# Altium PCB PCB2.PcbDoc
Units mil, origin at the board's own origin, x right, y up, seen from the top; angles counter-clockwise.
Board outline 2654.9 x 2460.12 mil, 2 copper layers (Top Layer, Bottom Layer), stack 65.792 mil thick; 77 components, 65 nets, 328 pads, 296 vias.
Unrouted connection lines stored in the file: 7.
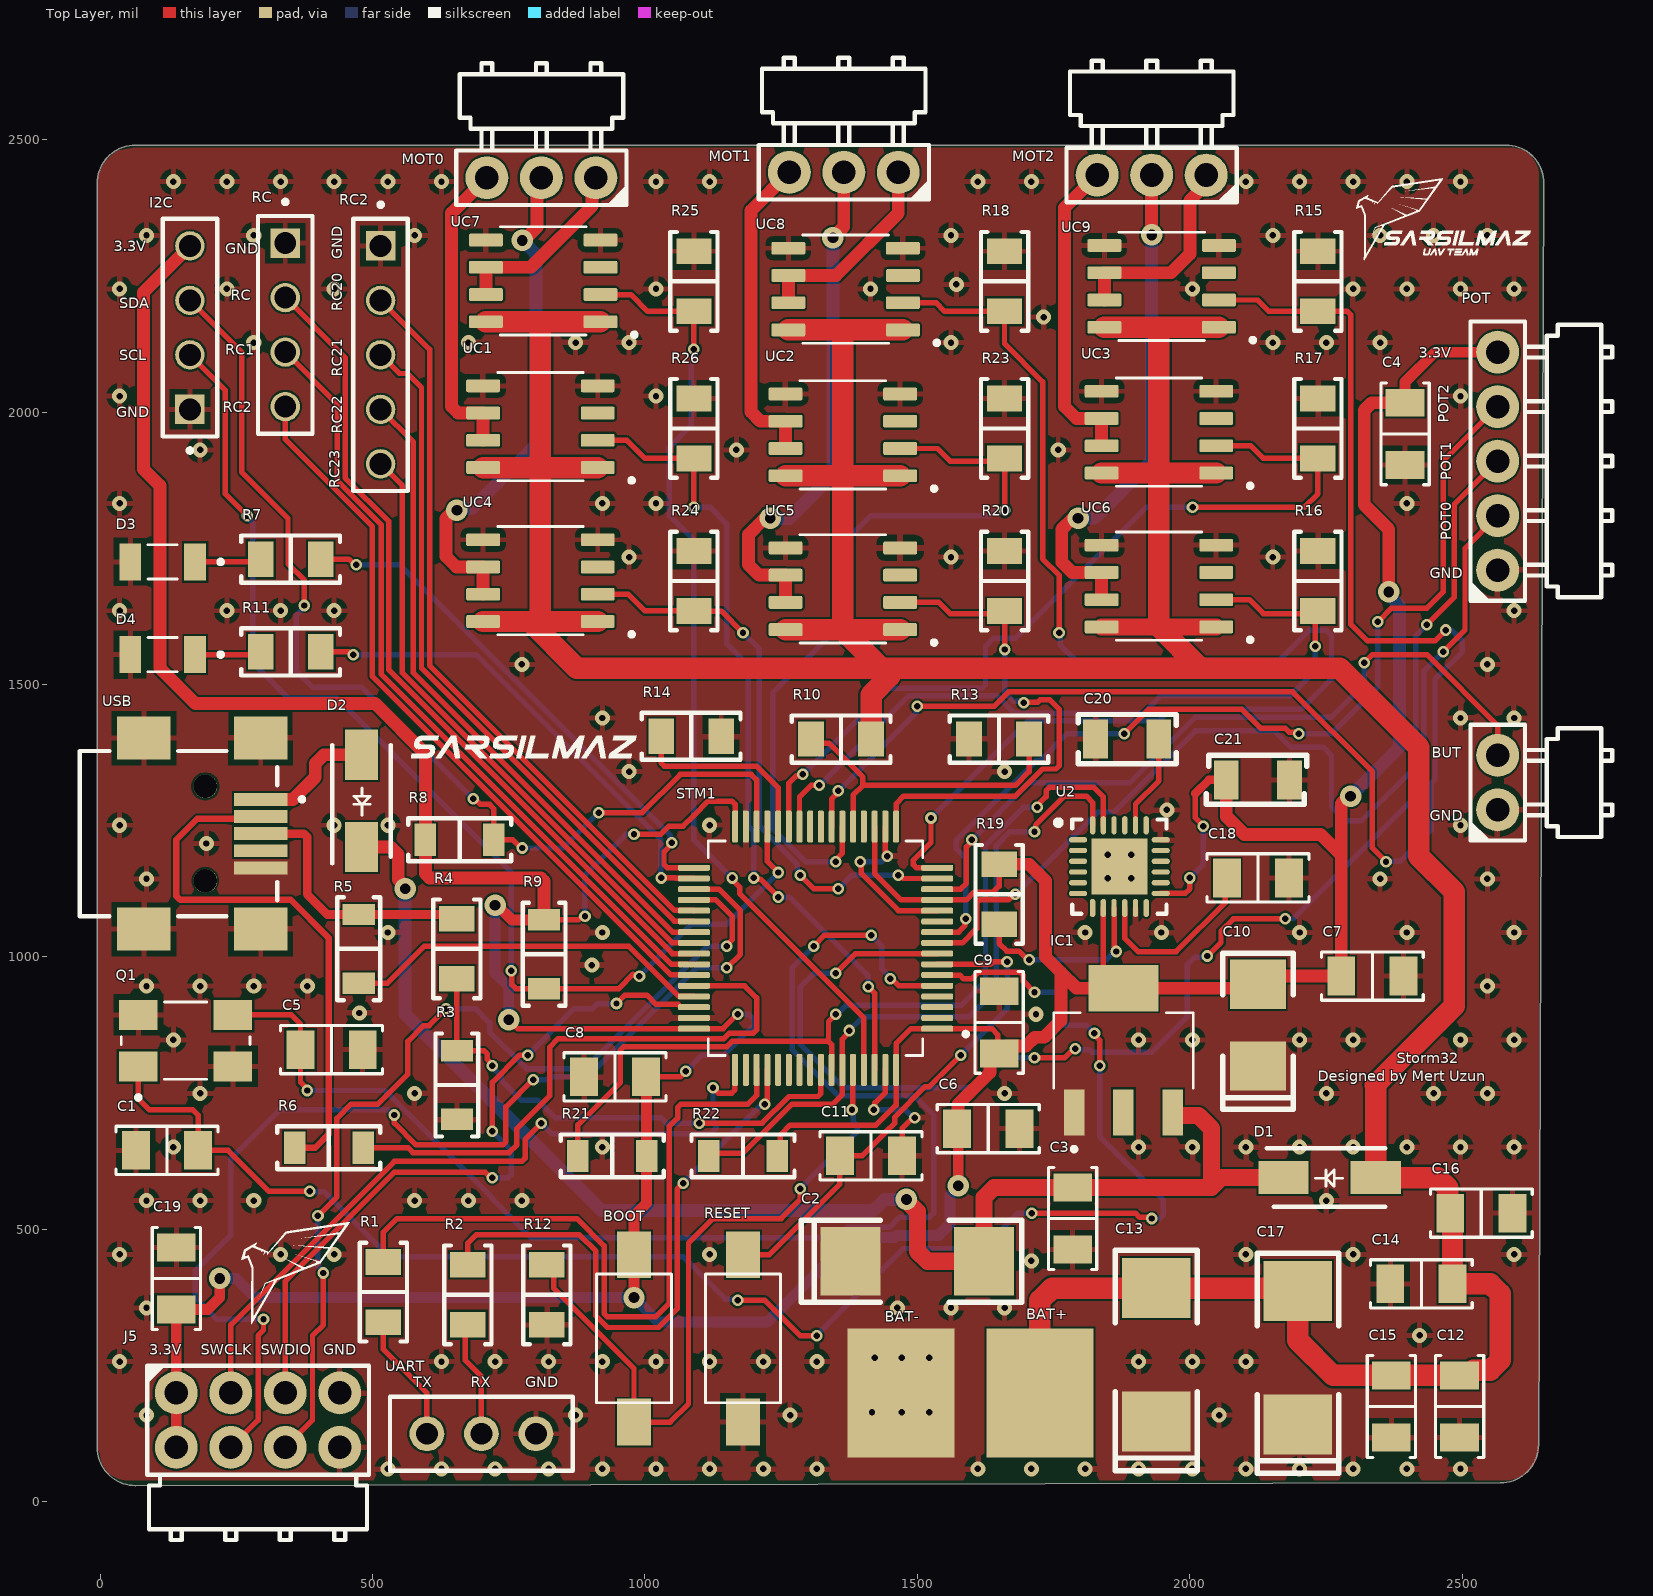
[diagram p0: Top Layer view]
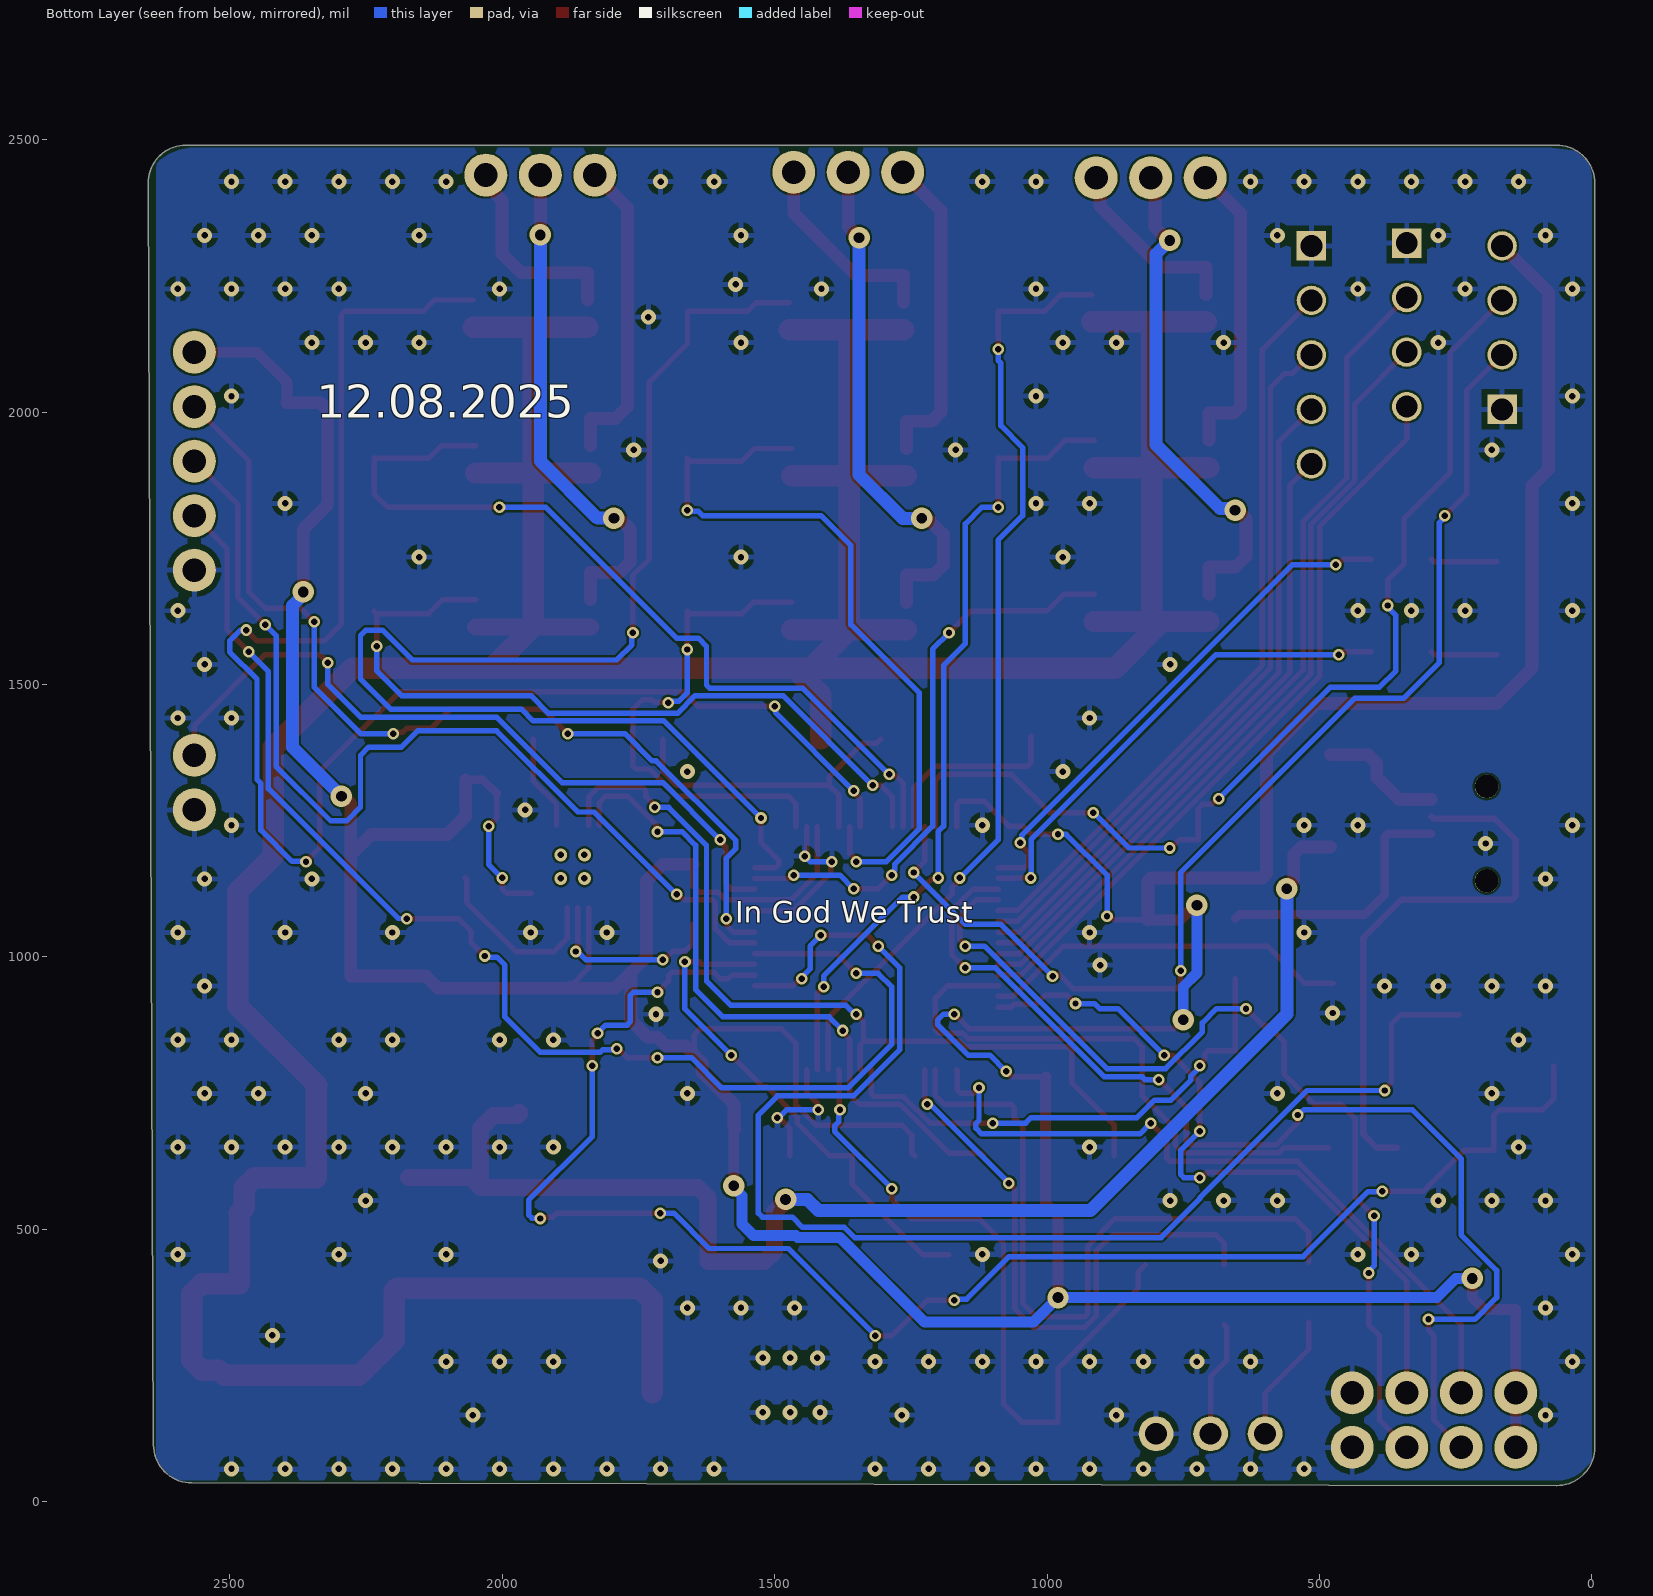
[diagram p1: Bottom Layer view, seen from below]
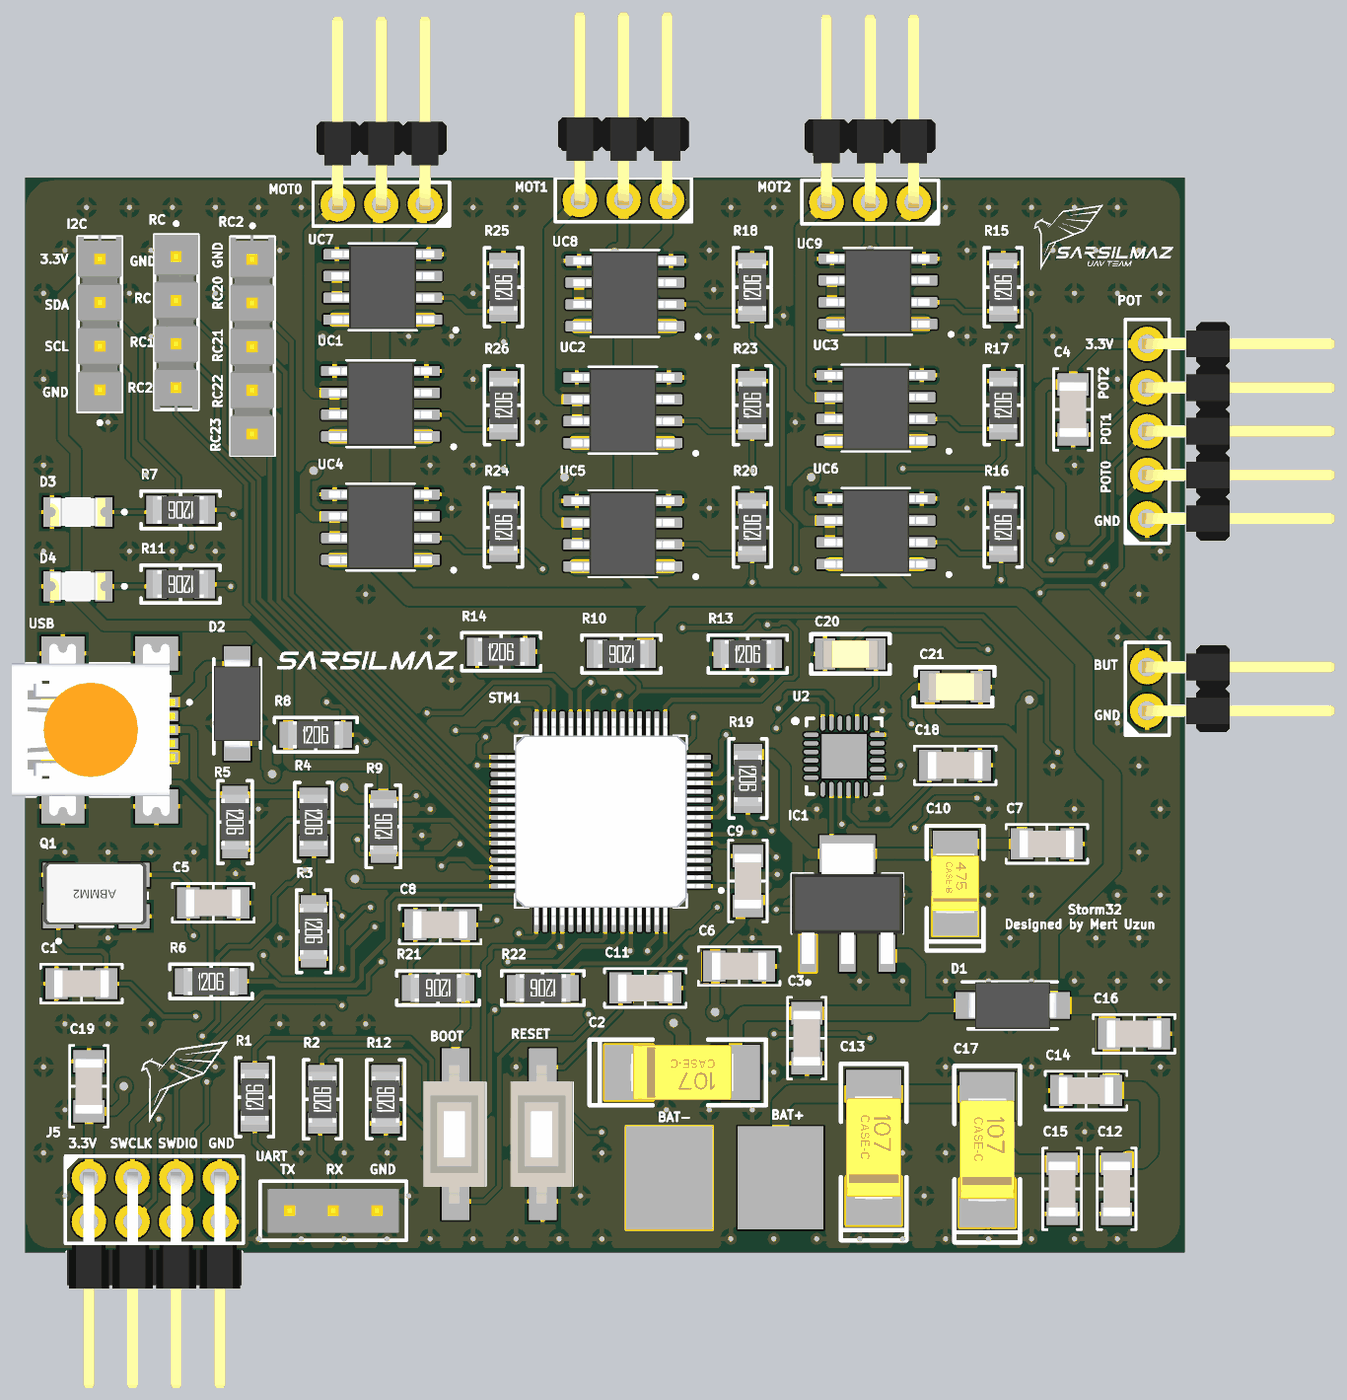
[diagram p2: 3D render of the assembled board from above, using the file's embedded part models]

## Layer stack, top to bottom
Top Solder: solder mask 0.4, Solder Resist, Dk 3.5
Top Layer: signal copper 1.4
Dielectric 1: dielectric 62.9921, FR-4, Dk 4.8
Bottom Layer: signal copper 1.4
Bottom Solder: solder mask 0.4, Solder Resist, Dk 3.5

## Board outline
65.16,29.88 2569.67,34.76 ccw(c2569.54,105.29) 2640.07,104.99 2649.9,2419.93 ccw(c2580.13,2420.22) 2580.13,2490 65,2490 ccw(c65,2420) -5,2420 -5,99.9 ccw(c65.02,99.9)

## Design rules (kind name [scope] priority, off if disabled: settings)
Clearance [All] p1: gap=3.94 ignorepadtopadclearanceinfootprint=FALSE
PolygonConnect [All] p1: connectstyle=Relief reliefconductorwidth=10 reliefentries=4 polygonreliefangle="90 Angle" airgapwidth=10
RoutingVias [All] p1: holewidth=28 width=50 viastyle="Through Hole" minholewidth=11.81 minwidth=11.81 maxholewidth=28 maxwidth=50
SolderMaskExpansion [All] p1: expansion=4 istentingtop=FALSE
SupplyNets "Schematic Supply Nets_3" [InNet('BAT+')] p1: voltage=0.000
SupplyNets "Schematic Supply Nets_2" [InNet('BAT-')] p2: voltage=0.000
SupplyNets "Schematic Supply Nets_1" [InNet('VUSB')] p3: voltage=0.000
SupplyNets "Schematic Supply Nets" [InNet('+3.3V')] p4: voltage=0.000
Width [All] p1: maxlimit=78.74 minlimit=10 preferedwidth=10 minimp=50.000000 maximp=50.000000 favimp=50.000000
30 further rules are at their usual default settings.

## Components (designator, comment, footprint, x,y, rotation, side; value= is the part's Value field where it differs from the comment)
BOOT "BUTTON" SW_1437566-3 980,300 r270 top (schematic designator SW1)
BUT "BUT" "HARWIN M20-9960245" 2565,1320 r90 top (schematic designator J6)
C1 "22 pF" "CAP 1206_3216 - 0.8MM" 122.91,645 r0 top
C2 "33uF" "TANTAL CAP C-CASE" 1495,445 r180 top
C3 "0.1 µF" "CAP 1206_3216 - 0.8MM" 1785,520 r270 top
C4 "0.1 µF" "CAP 1206_3216 - 0.8MM" 2395,1960 r270 top
C5 "22 pF" "CAP 1206_3216 - 0.8MM" 425,830 r180 top
C6 "0.1 µF" "CAP 1206_3216 - 0.8MM" 1630,685 r0 top
C7 "0.1 µF" "CAP 1206_3216 - 0.8MM" 2335,965 r0 top
C8 "0.1 µF" "CAP 1206_3216 - 0.8MM" 945,780 r180 top
C9 "0.1 µF" "CAP 1206_3216 - 0.8MM" 1650,880 r90 top
C10 "10uF" "TANTALUM SMD B" 2125,875 r270 top
C11 "0.1 µF" "CAP 1206_3216 - 0.8MM" 1415,635 r0 top
C12 "0.1 µF" "CAP 1206_3216 - 0.8MM" 2495,175 r270 top
C13 "33uF" "TANTAL CAP C-CASE" 1935,265 r270 top
C14 "0.1 µF" "CAP 1206_3216 - 0.8MM" 2425,400 r180 top
C15 "0.1 µF" "CAP 1206_3216 - 0.8MM" 2370,175 r270 top
C16 "0.1 µF" "CAP 1206_3216 - 0.8MM" 2535,530 r0 top
C17 "33uF" "TANTAL CAP C-CASE" 2195,260 r270 top locked
C18 "0.1 µF" "CAP 1206_3216 - 0.8MM" 2125,1145 r0 top
C19 "0.1 µF" "CAP 1206_3216 - 0.8MM" 140,410 r90 top
C20 "CAP" CAP1206 1885,1400 r180 top value=2.2nF
C21 "CAP" CAP1206 2125,1325 r0 top value=10nF
D1 "SS14 SCHOTTKY DIODE" "SS14 SCHOTTKY DIODE" 2255,595 r0 top
D2 "SS14 SCHOTTKY DIODE" "SS14 SCHOTTKY DIODE" 480,1285 r90 top
D3 "Red" LEDC3216X120N 115,1725 r180 top
D4 "Green" LEDC3216X120N 115,1555 r180 top
I2C "I2C" "Header 4pin" 165.75,2007.87 r90 top (schematic designator J7)
IC1 "LM1117MPX-33 SOT223" "LM1117MPX-33 SOT223" 1875,825 r90 top
J5 "M20-9740442" "HARWIN M20-9740445" 290,150 r0 top
MOT0 "M0" "HARWIN M20-9960345" 810,2430 r180 top (schematic designator J8)
MOT1 "M1" "HARWIN M20-9960345" 1365,2440 r180 top (schematic designator J9)
MOT2 "M2" "HARWIN M20-9960345" 1930,2435 r180 top (schematic designator J10)
POT "POT" "HARWIN M20-9960545" 2565,1910 r90 top (schematic designator J3)
Q1 "ABMM2-8.000MHZ-E2-T" ABMM2-8.000MHZ-E2-T 165,840 r180 top
R1 "1 kOhms" "RES 1206_3216" 520,385 r90 top
R2 "4.7 kOhms" "RES 1206_3216" 675,380 r90 top
R3 "47 kOhms" "YAGEO RES 1206_3216" 655,765 r270 top
R4 "1.5 kOhms" "RES 1206_3216" 655,1015 r270 top
R5 "22 Ohms" "YAGEO RES 1206_3216" 475,1015 r270 top
R6 "22 Ohms" "YAGEO RES 1206_3216" 420,650 r0 top
R7 "1 kOhms" "RES 1206_3216" 350,1730 r180 top
R8 "2.2 kOhms" "YAGEO RES 1206_3216" 660,1215 r0 top
R9 "2.2 kOhms" "YAGEO RES 1206_3216" 815,1005 r90 top
R10 "10 kOhms" "RES 1206_3216" 1360,1400 r180 top
R11 "1 kOhms" "RES 1206_3216" 350,1560 r180 top
R12 "10 kOhms" "RES 1206_3216" 820,380 r90 top
R13 "1.5 kOhms" "RES 1206_3216" 1649.88,1400 r0 top
R14 "10 kOhms" "RES 1206_3216" 1085,1405 r0 top
R15 "10 kOhms" "RES 1206_3216" 2235,2240 r90 top
R16 "10 kOhms" "RES 1206_3216" 2235,1690 r90 top
R17 "10 kOhms" "RES 1206_3216" 2235,1970 r90 top
R18 "10 kOhms" "RES 1206_3216" 1660,2240 r90 top
R19 "4.7 kOhms" "RES 1206_3216" 1650,1115 r270 top
R20 "10 kOhms" "RES 1206_3216" 1660,1690 r90 top
R21 "2.2 kOhms" "YAGEO RES 1206_3216" 940,635 r180 top
R22 "2.2 kOhms" "YAGEO RES 1206_3216" 1180,635 r180 top
R23 "10 kOhms" "RES 1206_3216" 1660,1970 r90 top
R24 "10 kOhms" "RES 1206_3216" 1090,1690 r90 top
R25 "10 kOhms" "RES 1206_3216" 1090,2240 r90 top
R26 "10 kOhms" "RES 1206_3216" 1090,1970 r90 top
RC "RC" "Header 4pin" 339.25,2307.13 r270 top (schematic designator J4)
RC2 "RC2" "header 5x1" 515.12,2304.72 r270 top (schematic designator J1)
RESET "BUTTON" SW_1437566-3 1180,300 r270 top (schematic designator SW2)
STM1 "STM32F103RCT6" STM32F103RCT6 1315,1025 r180 top
U2 "MPU6050-QFN24" MPU6050-QFN24 1871.81,1163.82 r0 top
UART "UART" "HEADER 3PIN" 698.2,124.29 r90 top (schematic designator J2)
UC1 "TC4420CPA" TC4420CPA 805,1972.5 r180 top
UC2 "TC4420CPA" TC4420CPA 1360,1957.5 r180 top
UC3 "TC4420CPA" TC4420CPA 1940,1962.5 r180 top
UC4 "TC4420CPA" TC4420CPA 805,1690 r180 top
UC5 "TC4420CPA" TC4420CPA 1360,1675 r180 top
UC6 "TC4420CPA" TC4420CPA 1940,1680 r180 top
UC7 "TC4420CPA" TC4420CPA 810,2240 r180 top
UC8 "TC4420CPA" TC4420CPA 1365,2225 r180 top
UC9 "TC4420CPA" TC4420CPA 1945,2230 r180 top
USB "MINI USB PORT" "MINI USB PORT" 140,1230 r270 top (schematic designator U1)

## Footprints (in the part's own frame and the unit in brackets; to place one, negate y for a bottom-side part, rotate by r counter-clockwise, add the part's x,y. Pads: shape width x height; smd on the part's side, far side on the other; paste and mask are expansions set on the pad)
ABMM2-8.000MHZ-E2-T [mm]
  rect 1.8x1.4 smd: 1(2.401,1.035) 2(-1.999,1.035) 3(-1.999,-1.365) 4(2.401,-1.365)
  silkscreen extent -2.8,-1.96 3.2,2.58, body extent -2.72,-2.09 3.28,1.51, height 1.2
CAP1206 [mm]
  rect 1.16x1.82 smd: 1(1.475,0) 2(-1.475,0)
  body extent -1.6,-0.81 1.6,0.81, height 0.57
"CAP 1206_3216 - 0.8MM" [mm] "Chip Capacitor, 2-Leads, Body 3.25x1.60mm, IPC Medium Density"
  rect 1.3x1.8 smd: 1(-1.45,0) 2(1.45,0)
  silkscreen extent -2.37,-1.12 2.37,1.12, body extent -1.6,-0.8 1.6,0.8, height 0.8
"HARWIN M20-9740445" [mm] "2.54mm DIL PC TAIL PIN HEADER ASSEMBLY"
  round 2 hole 1.1: 1(-3.81,1.27) 2(-1.27,1.27) 3(1.27,1.27) 4(3.81,1.27) 5(3.81,-1.27) 6(1.27,-1.27) 7(-1.27,-1.27) 8(-3.81,-1.27)
  silkscreen extent -5.19,-5.59 5.17,2.57, body extent -5.08,-10.97 5.08,1.59, height 5
"HARWIN M20-9960245" [mm] "2.54mm DIL PC TAIL PIN HEADER ASSEMBLY"
  round 2 hole 1.1: 1(-1.27,0) 2(1.27,0)
  silkscreen extent -2.7,-5.33 2.7,1.3, body extent -2.54,-10.9 2.54,0.32, height 2.54
"HARWIN M20-9960345" [mm] "2.54mm DIL PC TAIL PIN HEADER ASSEMBLY"
  round 2 hole 1.1: 1(-2.54,0) 2(0,0) 3(2.54,0)
  silkscreen extent -3.97,-5.33 3.97,1.3, body extent -3.81,-10.9 3.81,0.32, height 2.54
"HARWIN M20-9960545" [mm] "2.54mm DIL PC TAIL PIN HEADER ASSEMBLY"
  round 2 hole 1.1: 1(-5.08,0) 2(-2.54,0) 3(0,0) 4(2.54,0) 5(5.08,0)
  silkscreen extent -6.51,-5.33 6.51,1.3, body extent -6.35,-10.9 6.35,0.32, height 2.54
"HEADER 3PIN" [mm]
  round 1.62 hole 1.02: 1(0.018,-2.586) 2(0.018,-0.046) 3(0.018,2.494)
  silkscreen extent -1.7,-4.31 1.74,4.21, body extent -1.25,-3.86 1.29,3.76, height 8.38
"Header 4pin" [mm]
  rect 1.37x1.37 hole 1.02: 01(-0.073,0.019)
  round 1.37 hole 1.02: 02(2.467,0.019) 03(5.007,0.019) 04(7.547,0.019)
  silkscreen extent -2.09,-1.25 8.82,1.29, body extent -1.34,-1.25 8.94,1.29, height 9.27
"header 5x1" [mm]
  rect 1.37x1.37 hole 1.02: 1(-0.007,-0.003)
  round 1.37 hole 1.02: 2(2.533,-0.003) 3(5.073,-0.003) 4(7.613,-0.003) 5(10.153,-0.003)
  silkscreen extent -2.03,-1.27 11.42,1.27, body extent -1.38,-1.3 11.45,1.24, height 8.38
LEDC3216X120N [mm]
  rect 1.01x1.73 smd: NEG(1.51,0) POS(-1.51,0)
  silkscreen extent -2.8,-0.8 0.68,0.8, body extent -1.6,-0.8 1.6,0.8, height 1.2
"LM1117MPX-33 SOT223" [mm]
  rect 2.15x0.95 smd: 1(-2.811,2.22) 2(-2.811,-0.08) 3(-2.811,-2.38)
  rect 2.15x3.25 smd: 4(2.989,-0.08)
  silkscreen extent -4.61,-3.33 1.84,3.17, body extent -3.41,-3.33 3.59,3.17, height 1.66
"MINI USB PORT" [mm]
  rect 0.6x2.5 smd: 1(-1.507,3.936) 2(-0.707,3.936) 3(0.093,3.936) 4(0.893,3.936) 5(1.693,3.936)
  rect 2x2.5 smd: SH1(-4.357,3.936) SH2(4.543,3.936) SH3(-4.357,-1.514) SH4(4.543,-1.514)
  round 1.1 hole 1.1 unplated: ""(-2.107,1.356) ""(2.293,1.356)
  silkscreen extent -3.76,-4.49 3.94,5.96, body extent -4.91,-4.49 5.09,5.01, height 4.23
MPU6050-QFN24 [mm]
  oval 0.85x0.25 smd: 1(-1.951,1.3) 2(-1.951,0.8) 3(-1.951,0.3) 4(-1.951,-0.2) 5(-1.951,-0.7) 6(-1.951,-1.2) 13(1.899,-1.2) 14(1.899,-0.7) 15(1.899,-0.2) 16(1.899,0.3) 17(1.899,0.8) 18(1.899,1.3)
  oval 0.25x0.85 smd: 7(-1.276,-1.875) 8(-0.776,-1.875) 9(-0.276,-1.875) 10(0.224,-1.875) 11(0.724,-1.875) 12(1.224,-1.875) 19(1.224,1.975) 20(0.724,1.975) 21(0.224,1.975) 22(-0.276,1.975) 23(-0.776,1.975) 24(-1.276,1.975)
  rect 2.6x2.6 smd: 25(-0.026,0.05)
  silkscreen extent -3,-2.15 2.17,2.25, body extent -2.08,-2 2.02,2.1, height 0.95
"RES 1206_3216" [mm] "Chip Resistor, 2-Leads, Body 3.13x1.55mm, IPC Medium Density"
  rect 1.2x1.65 smd: 1(-1.4,0) 2(1.4,0)
  silkscreen extent -2.3,-1.1 2.3,1.1, body extent -1.6,-0.8 1.6,0.8, height 0.6
"SS14 SCHOTTKY DIODE" [mm]
  rect 2.35x1.55 smd: 1(-2.111,0.004) 2(2.189,0.004)
  silkscreen extent -2.89,-1.36 2.64,1.37, body extent -2.56,-1.36 2.64,1.37, height 2.5
STM32F103RCT6 [mm]
  rrect50% 1.49x0.28 smd: 1(-5.625,3.977) 2(-5.625,3.477) 3(-5.625,2.977) 4(-5.625,2.477) 5(-5.625,1.977) 6(-5.625,1.477) 7(-5.625,0.977) 8(-5.625,0.477) 9(-5.625,-0.023) 10(-5.625,-0.523) 11(-5.625,-1.023) 12(-5.625,-1.523) 13(-5.625,-2.023) 14(-5.625,-2.523) 15(-5.625,-3.023) 16(-5.625,-3.523) 33(5.715,-3.523) 34(5.715,-3.023) 35(5.715,-2.523) 36(5.715,-2.023) 37(5.715,-1.523) 38(5.715,-1.023) 39(5.715,-0.523) 40(5.715,-0.023) 41(5.715,0.477) 42(5.715,0.977) 43(5.715,1.477) 44(5.715,1.977) 45(5.715,2.477) 46(5.715,2.977) 47(5.715,3.477) 48(5.715,3.977)
  rrect50% 0.28x1.49 smd: 17(-3.705,-5.443) 18(-3.205,-5.443) 19(-2.705,-5.443) 20(-2.205,-5.443) 21(-1.705,-5.443) 22(-1.205,-5.443) 23(-0.705,-5.443) 24(-0.205,-5.443) 25(0.295,-5.443) 26(0.795,-5.443) 27(1.295,-5.443) 28(1.795,-5.443) 29(2.295,-5.443) 30(2.795,-5.443) 31(3.295,-5.443) 32(3.795,-5.443) 49(3.795,5.897) 50(3.295,5.897) 51(2.795,5.897) 52(2.295,5.897) 53(1.795,5.897) 54(1.295,5.897) 55(0.795,5.897) 56(0.295,5.897) 57(-0.205,5.897) 58(-0.705,5.897) 59(-1.205,5.897) 60(-1.705,5.897) 61(-2.205,5.897) 62(-2.705,5.897) 63(-3.205,5.897) 64(-3.705,5.897)
  silkscreen extent -7.05,-4.77 5.05,5.23, body extent -5.95,-5.77 6.05,6.23, height 1.73
SW_1437566-3 [mm]
  rect 2.18x1.6 smd: 1(-3.9,0) 2(3.9,0)
  silkscreen extent -3,-1.75 3,1.75, body extent -4.03,-1.9 4.03,1.76, height 2.51
"TANTAL CAP C-CASE" [mm]
  rect 2.8x3.2 smd: 1(2.99,0.085) 2(-3.233,0.085)
  silkscreen extent -4.99,-1.82 5.28,1.99, body extent -3.12,-1.51 2.88,1.69, height 2.5
"TANTALUM SMD B" [mm] "SMD TIPO B 3.5x2.8x1.9"
  rect 2.3x2.6 smd: 1(1.905,0) 2(-1.905,0)
  silkscreen extent -3.34,-1.65 3.92,1.65, body extent -1.75,-1.4 1.75,1.4, height 1.9
TC4420CPA [mm]
  rrect25% 1.58x0.6 smd: 1(-2.754,1.888) 2(-2.754,0.618) 3(-2.754,-0.652) 4(-2.754,-1.922) 5(2.586,-1.922) 6(2.586,-0.652) 7(2.586,0.618) 8(2.586,1.888)
  silkscreen extent -4.43,-2.54 1.91,2.59, body extent -3.08,-2.47 2.92,2.43, height 1.75
"YAGEO RES 1206_3216" [mm] "Chip Resistor, 2-Leads, Body 3.13x1.55mm"
  rect 1x1.5 smd: 1(-1.6,0) 2(1.6,0)
  silkscreen extent -2.4,-1 2.4,1, body extent -1.6,-0.8 1.6,0.8, height 0.6

## Part data